# KiCad board Oblique Palette 0.3 PCB.kicad_pcb
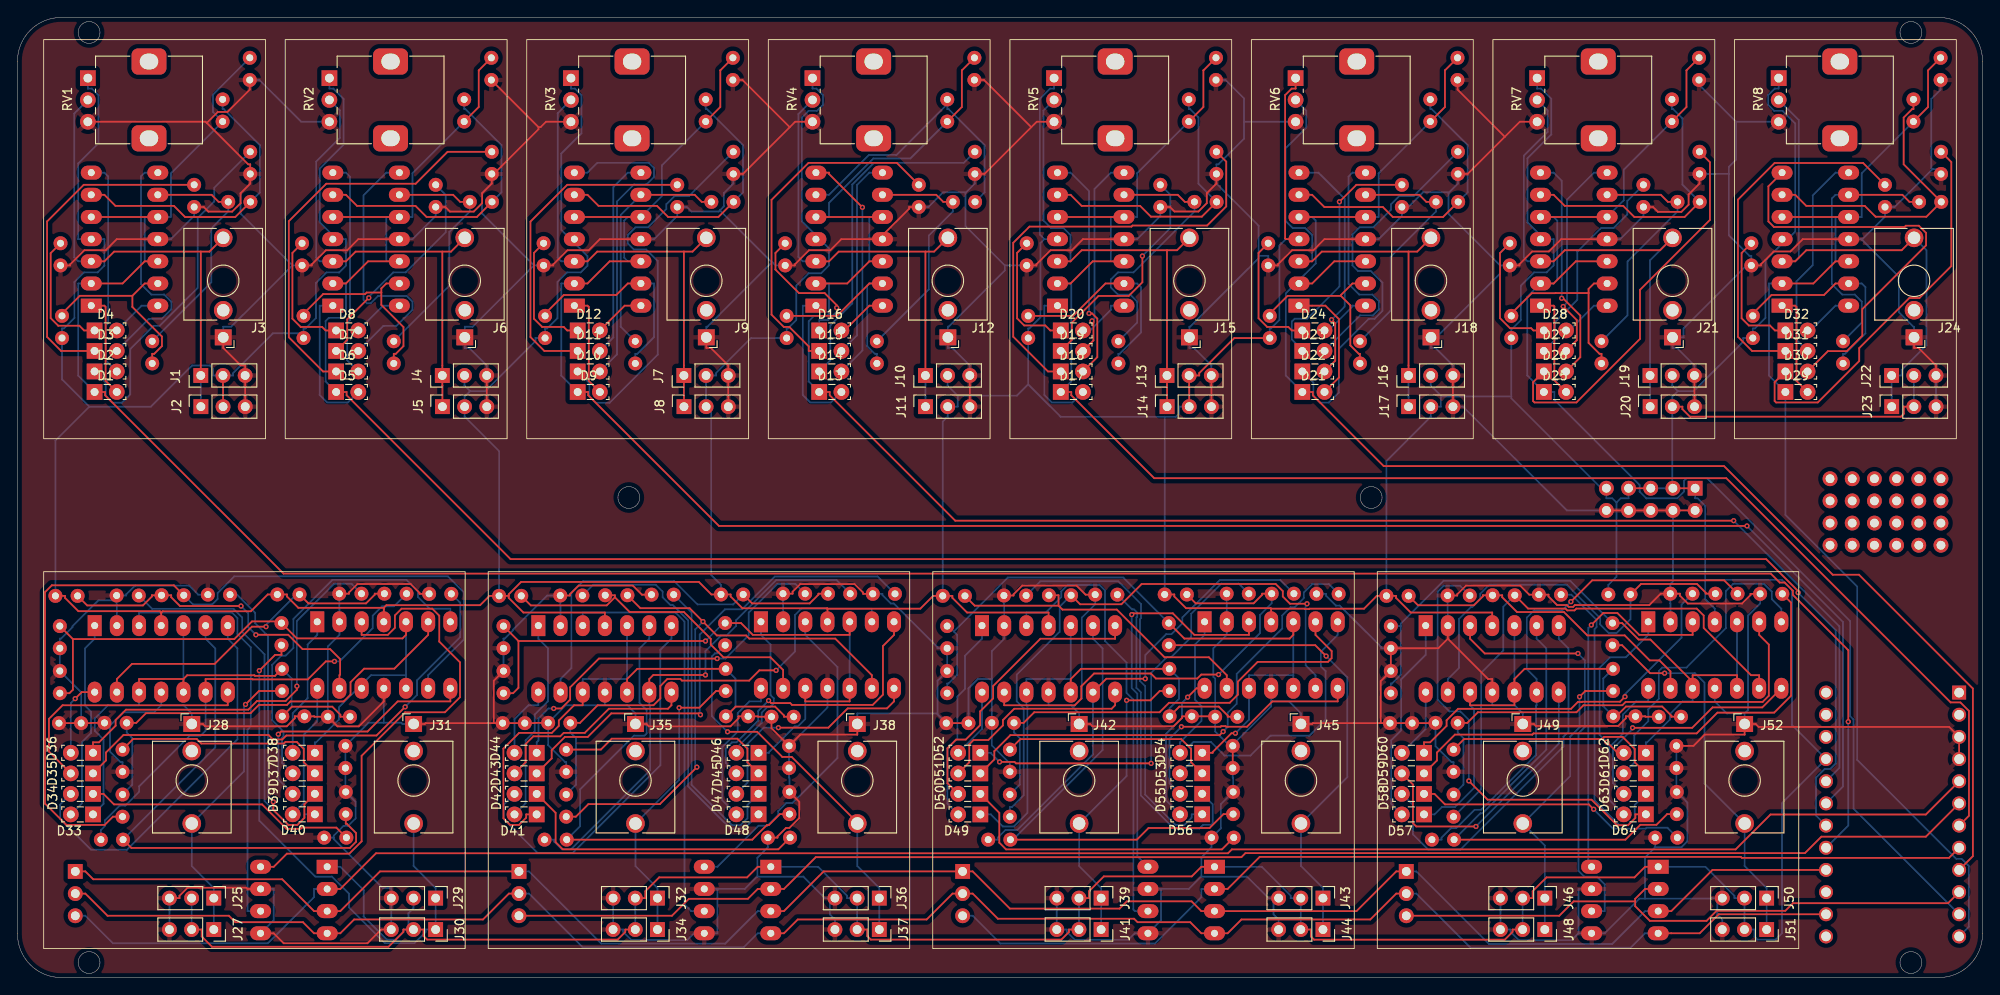
[diagram p0: board, top side]
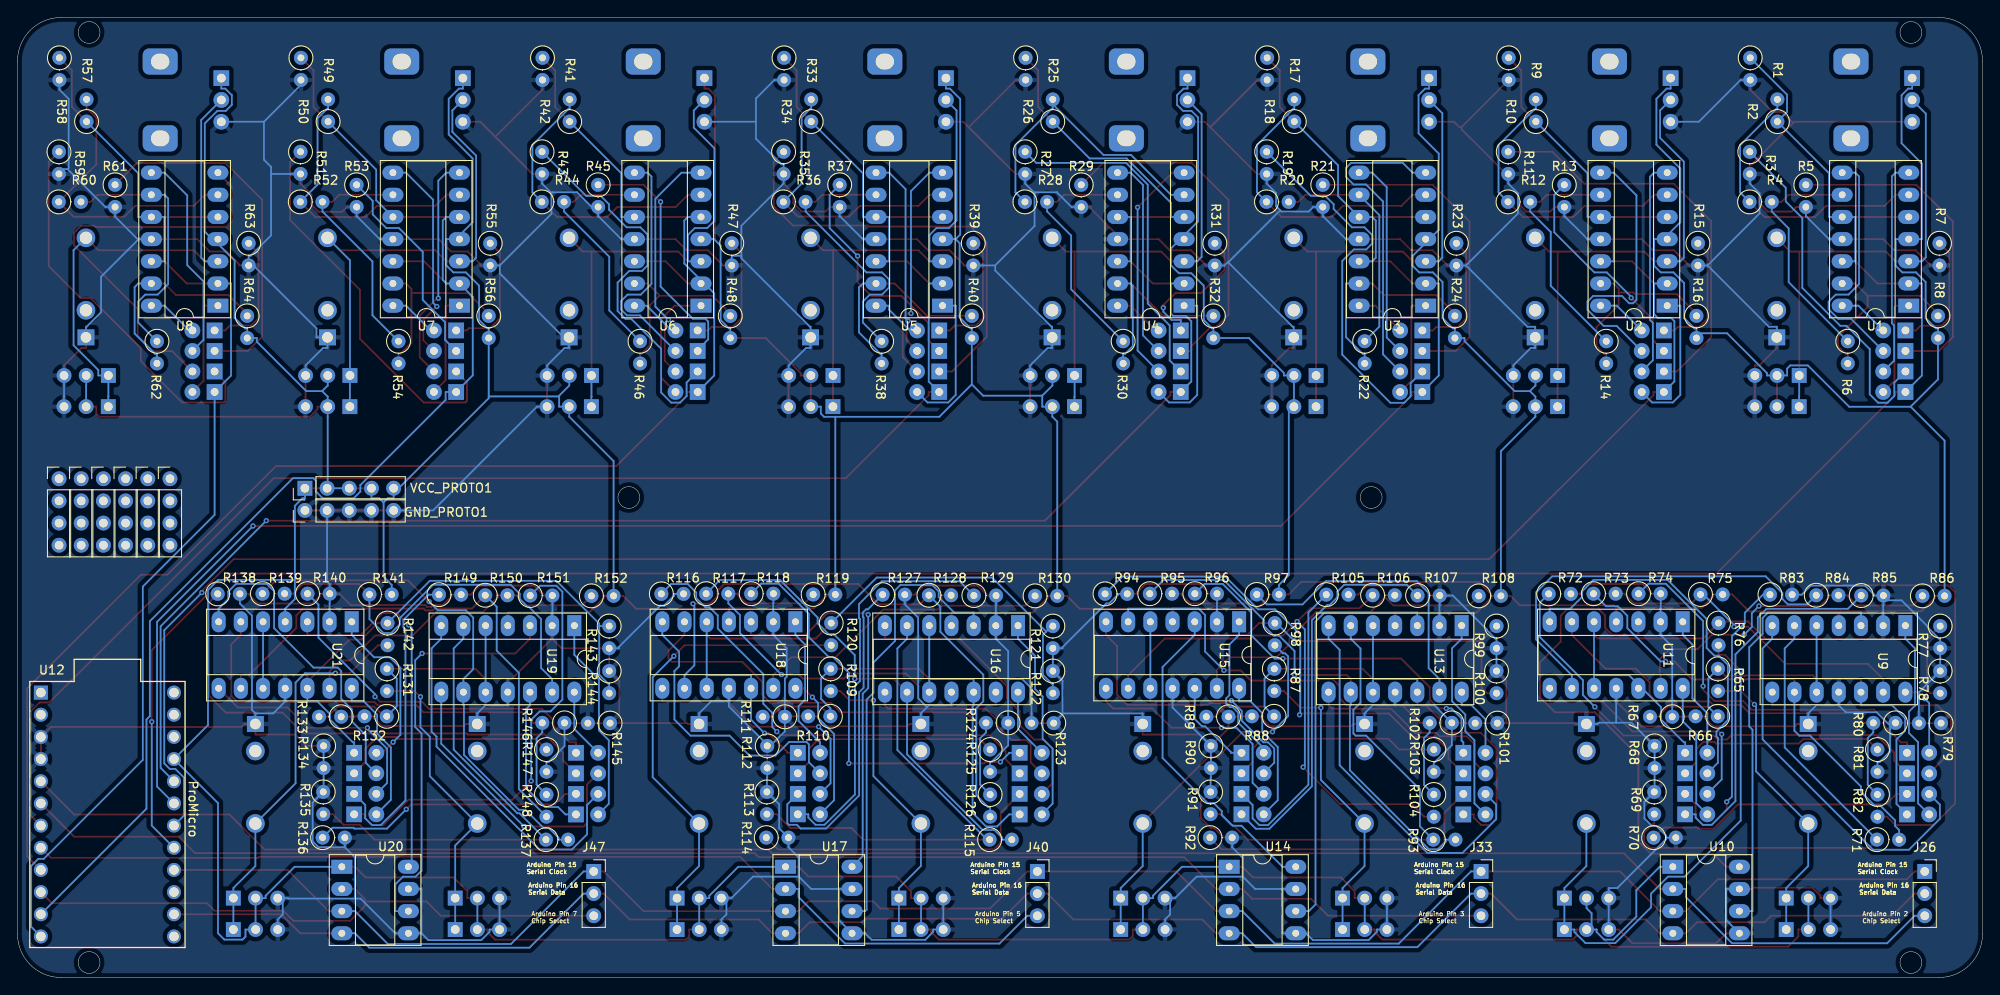
[diagram p1: board, bottom side, seen from below]

Outline 225 x 110 mm; copper layers: Top, Bottom. Coordinates in mm from the lower left corner of the outline.
Outline path: circle c8.2,108.28 r1.25 ; circle c8.2,1.72 r1.25 ; circle c70,55 r1.25 ; circle c155,55 r1.25 ; circle c216.8,108.28 r1.25 ; circle c216.8,1.72 r1.25 ; 0,105 arc(1.46,108.54) 5,110 220,110 arc(223.54,108.54) 225,105 225,5 arc(223.54,1.46) 220,0 5,0 arc(1.46,1.46) 0,5 0,105

## Placement (name value [footprint] x y rotation side)
D1  White  [LED_SideEmitter_Rectangular_W4.5mm_H1.6mm]  8.83 67.09 0 top
D2  Blue  [LED_SideEmitter_Rectangular_W4.5mm_H1.6mm]  8.83 69.44 0 top
D3  Yellow  [LED_SideEmitter_Rectangular_W4.5mm_H1.6mm]  8.83 71.79 0 top
D4  Red  [LED_SideEmitter_Rectangular_W4.5mm_H1.6mm]  8.83 74.14 0 top
D5  White  [LED_SideEmitter_Rectangular_W4.5mm_H1.6mm]  36.49 67.09 0 top
D6  Blue  [LED_SideEmitter_Rectangular_W4.5mm_H1.6mm]  36.49 69.44 0 top
D7  Yellow  [LED_SideEmitter_Rectangular_W4.5mm_H1.6mm]  36.49 71.79 0 top
D8  Red  [LED_SideEmitter_Rectangular_W4.5mm_H1.6mm]  36.49 74.14 0 top
D9  White  [LED_SideEmitter_Rectangular_W4.5mm_H1.6mm]  64.14 67.09 0 top
D10  Blue  [LED_SideEmitter_Rectangular_W4.5mm_H1.6mm]  64.14 69.44 0 top
D11  Yellow  [LED_SideEmitter_Rectangular_W4.5mm_H1.6mm]  64.14 71.79 0 top
D12  Red  [LED_SideEmitter_Rectangular_W4.5mm_H1.6mm]  64.14 74.14 0 top
D13  White  [LED_SideEmitter_Rectangular_W4.5mm_H1.6mm]  91.8 67.09 0 top
D14  Blue  [LED_SideEmitter_Rectangular_W4.5mm_H1.6mm]  91.8 69.44 0 top
D15  Yellow  [LED_SideEmitter_Rectangular_W4.5mm_H1.6mm]  91.8 71.79 0 top
D16  Red  [LED_SideEmitter_Rectangular_W4.5mm_H1.6mm]  91.8 74.14 0 top
D17  White  [LED_SideEmitter_Rectangular_W4.5mm_H1.6mm]  119.46 67.09 0 top
D18  Blue  [LED_SideEmitter_Rectangular_W4.5mm_H1.6mm]  119.46 69.44 0 top
D19  Yellow  [LED_SideEmitter_Rectangular_W4.5mm_H1.6mm]  119.46 71.79 0 top
D20  Red  [LED_SideEmitter_Rectangular_W4.5mm_H1.6mm]  119.46 74.14 0 top
D21  White  [LED_SideEmitter_Rectangular_W4.5mm_H1.6mm]  147.12 67.09 0 top
D22  Blue  [LED_SideEmitter_Rectangular_W4.5mm_H1.6mm]  147.12 69.44 0 top
D23  Yellow  [LED_SideEmitter_Rectangular_W4.5mm_H1.6mm]  147.12 71.79 0 top
D24  Red  [LED_SideEmitter_Rectangular_W4.5mm_H1.6mm]  147.12 74.14 0 top
D25  White  [LED_SideEmitter_Rectangular_W4.5mm_H1.6mm]  174.77 67.09 0 top
D26  Blue  [LED_SideEmitter_Rectangular_W4.5mm_H1.6mm]  174.77 69.44 0 top
D27  Yellow  [LED_SideEmitter_Rectangular_W4.5mm_H1.6mm]  174.77 71.79 0 top
D28  Red  [LED_SideEmitter_Rectangular_W4.5mm_H1.6mm]  174.77 74.14 0 top
D29  White  [LED_SideEmitter_Rectangular_W4.5mm_H1.6mm]  202.43 67.09 0 top
D30  Blue  [LED_SideEmitter_Rectangular_W4.5mm_H1.6mm]  202.43 69.44 0 top
D31  Yellow  [LED_SideEmitter_Rectangular_W4.5mm_H1.6mm]  202.43 71.79 0 top
D32  Red  [LED_SideEmitter_Rectangular_W4.5mm_H1.6mm]  202.43 74.14 0 top
D33  White  [LED_SideEmitter_Rectangular_W4.5mm_H1.6mm]  8.65 18.69 180 top
D34  Blue  [LED_SideEmitter_Rectangular_W4.5mm_H1.6mm]  8.65 21.04 180 top
D35  Yellow  [LED_SideEmitter_Rectangular_W4.5mm_H1.6mm]  8.65 23.39 180 top
D36  Red  [LED_SideEmitter_Rectangular_W4.5mm_H1.6mm]  8.65 25.75 180 top
D37  White  [LED_SideEmitter_Rectangular_W4.5mm_H1.6mm]  34.05 25.75 180 top
D38  Blue  [LED_SideEmitter_Rectangular_W4.5mm_H1.6mm]  34.05 23.4 180 top
D39  Yellow  [LED_SideEmitter_Rectangular_W4.5mm_H1.6mm]  34.05 21.05 180 top
D40  Red  [LED_SideEmitter_Rectangular_W4.5mm_H1.6mm]  34.05 18.7 180 top
D41  White  [LED_SideEmitter_Rectangular_W4.5mm_H1.6mm]  59.45 18.69 180 top
D42  Blue  [LED_SideEmitter_Rectangular_W4.5mm_H1.6mm]  59.45 21.04 180 top
D43  Yellow  [LED_SideEmitter_Rectangular_W4.5mm_H1.6mm]  59.45 23.39 180 top
D44  Red  [LED_SideEmitter_Rectangular_W4.5mm_H1.6mm]  59.45 25.75 180 top
D45  White  [LED_SideEmitter_Rectangular_W4.5mm_H1.6mm]  84.85 25.75 180 top
D46  Blue  [LED_SideEmitter_Rectangular_W4.5mm_H1.6mm]  84.85 23.4 180 top
D47  Yellow  [LED_SideEmitter_Rectangular_W4.5mm_H1.6mm]  84.85 21.05 180 top
D48  Red  [LED_SideEmitter_Rectangular_W4.5mm_H1.6mm]  84.85 18.7 180 top
D49  White  [LED_SideEmitter_Rectangular_W4.5mm_H1.6mm]  110.25 18.69 180 top
D50  Blue  [LED_SideEmitter_Rectangular_W4.5mm_H1.6mm]  110.25 21.04 180 top
D51  Yellow  [LED_SideEmitter_Rectangular_W4.5mm_H1.6mm]  110.25 23.39 180 top
D52  Red  [LED_SideEmitter_Rectangular_W4.5mm_H1.6mm]  110.25 25.75 180 top
D53  White  [LED_SideEmitter_Rectangular_W4.5mm_H1.6mm]  135.65 25.75 180 top
D54  Blue  [LED_SideEmitter_Rectangular_W4.5mm_H1.6mm]  135.65 23.4 180 top
D55  Yellow  [LED_SideEmitter_Rectangular_W4.5mm_H1.6mm]  135.65 21.05 180 top
D56  Red  [LED_SideEmitter_Rectangular_W4.5mm_H1.6mm]  135.65 18.7 180 top
D57  White  [LED_SideEmitter_Rectangular_W4.5mm_H1.6mm]  161.05 18.69 180 top
D58  Blue  [LED_SideEmitter_Rectangular_W4.5mm_H1.6mm]  161.05 21.04 180 top
D59  Yellow  [LED_SideEmitter_Rectangular_W4.5mm_H1.6mm]  161.05 23.39 180 top
D60  Red  [LED_SideEmitter_Rectangular_W4.5mm_H1.6mm]  161.05 25.75 180 top
D61  White  [LED_SideEmitter_Rectangular_W4.5mm_H1.6mm]  186.45 25.75 180 top
D62  Blue  [LED_SideEmitter_Rectangular_W4.5mm_H1.6mm]  186.45 23.4 180 top
D63  Yellow  [LED_SideEmitter_Rectangular_W4.5mm_H1.6mm]  186.45 21.05 180 top
D64  Red  [LED_SideEmitter_Rectangular_W4.5mm_H1.6mm]  186.45 18.7 180 top
GND_PROTO1  Conn_01x05_Pin  [PinHeader_1x05_P2.54mm_Vertical]  192.09 53.52 90 bottom
J1  Conn_01x03_Male_Pin  [PinHeader_1x03_P2.54mm_Vertical]  20.99 68.98 90 top
J2  Conn_01x03_Female_Pin  [PinSocket_1x03_P2.54mm_Vertical]  21 65.41 90 top
J3  AudioJack2_SwitchT  [Jack_3.5mm_QingPu_WQP-PJ398SM_Vertical_CircularHoles]  23.56 73.35 180 top
J4  Conn_01x03_Male_Pin  [PinHeader_1x03_P2.54mm_Vertical]  48.65 68.98 90 top
J5  Conn_01x03_Female_Pin  [PinSocket_1x03_P2.54mm_Vertical]  48.66 65.41 90 top
J6  AudioJack2_SwitchT  [Jack_3.5mm_QingPu_WQP-PJ398SM_Vertical_CircularHoles]  51.22 73.35 180 top
J7  Conn_01x03_Male_Pin  [PinHeader_1x03_P2.54mm_Vertical]  76.3 68.98 90 top
J8  Conn_01x03_Female_Pin  [PinSocket_1x03_P2.54mm_Vertical]  76.31 65.41 90 top
J9  AudioJack2_SwitchT  [Jack_3.5mm_QingPu_WQP-PJ398SM_Vertical_CircularHoles]  78.87 73.35 180 top
J10  Conn_01x03_Male_Pin  [PinHeader_1x03_P2.54mm_Vertical]  103.96 68.98 90 top
J11  Conn_01x03_Female_Pin  [PinSocket_1x03_P2.54mm_Vertical]  103.97 65.41 90 top
J12  AudioJack2_SwitchT  [Jack_3.5mm_QingPu_WQP-PJ398SM_Vertical_CircularHoles]  106.53 73.35 180 top
J13  Conn_01x03_Male_Pin  [PinHeader_1x03_P2.54mm_Vertical]  131.62 68.98 90 top
J14  Conn_01x03_Female_Pin  [PinSocket_1x03_P2.54mm_Vertical]  131.63 65.41 90 top
J15  AudioJack2_SwitchT  [Jack_3.5mm_QingPu_WQP-PJ398SM_Vertical_CircularHoles]  134.19 73.35 180 top
J16  Conn_01x03_Male_Pin  [PinHeader_1x03_P2.54mm_Vertical]  159.28 68.98 90 top
J17  Conn_01x03_Female_Pin  [PinSocket_1x03_P2.54mm_Vertical]  159.28 65.41 90 top
J18  AudioJack2_SwitchT  [Jack_3.5mm_QingPu_WQP-PJ398SM_Vertical_CircularHoles]  161.84 73.35 180 top
J19  Conn_01x03_Male_Pin  [PinHeader_1x03_P2.54mm_Vertical]  186.93 68.98 90 top
J20  Conn_01x03_Female_Pin  [PinSocket_1x03_P2.54mm_Vertical]  186.94 65.41 90 top
J21  AudioJack2_SwitchT  [Jack_3.5mm_QingPu_WQP-PJ398SM_Vertical_CircularHoles]  189.5 73.35 180 top
J22  Conn_01x03_Male_Pin  [PinHeader_1x03_P2.54mm_Vertical]  214.59 68.98 90 top
J23  Conn_01x03_Female_Pin  [PinSocket_1x03_P2.54mm_Vertical]  214.6 65.41 90 top
J24  AudioJack2_SwitchT  [Jack_3.5mm_QingPu_WQP-PJ398SM_Vertical_CircularHoles]  217.16 73.35 180 top
J25  Conn_01x03_Male_Pin  [PinHeader_1x03_P2.54mm_Vertical]  22.48 9.1 270 top
J26  Conn_01x03_Female_Pin  [PinSocket_1x03_P2.54mm_Vertical]  6.62 12.16 180 bottom
J27  Conn_01x03_Female_Pin  [PinSocket_1x03_P2.54mm_Vertical]  22.48 5.5 270 top
J28  AudioJack2_SwitchT  [Jack_3.5mm_QingPu_WQP-PJ398SM_Vertical_CircularHoles]  19.96 29.05 0 top
J29  Conn_01x03_Male_Pin  [PinHeader_1x03_P2.54mm_Vertical]  47.88 9.1 270 top
J30  Conn_01x03_Female_Pin  [PinSocket_1x03_P2.54mm_Vertical]  47.88 5.5 270 top
J31  AudioJack2_SwitchT  [Jack_3.5mm_QingPu_WQP-PJ398SM_Vertical_CircularHoles]  45.36 29.05 0 top
J32  Conn_01x03_Male_Pin  [PinHeader_1x03_P2.54mm_Vertical]  73.28 9.1 270 top
J33  Conn_01x03_Female_Pin  [PinSocket_1x03_P2.54mm_Vertical]  57.42 12.16 180 bottom
J34  Conn_01x03_Female_Pin  [PinSocket_1x03_P2.54mm_Vertical]  73.28 5.5 270 top
J35  AudioJack2_SwitchT  [Jack_3.5mm_QingPu_WQP-PJ398SM_Vertical_CircularHoles]  70.76 29.05 0 top
J36  Conn_01x03_Male_Pin  [PinHeader_1x03_P2.54mm_Vertical]  98.68 9.1 270 top
J37  Conn_01x03_Female_Pin  [PinSocket_1x03_P2.54mm_Vertical]  98.68 5.5 270 top
J38  AudioJack2_SwitchT  [Jack_3.5mm_QingPu_WQP-PJ398SM_Vertical_CircularHoles]  96.16 29.05 0 top
J39  Conn_01x03_Male_Pin  [PinHeader_1x03_P2.54mm_Vertical]  124.08 9.1 270 top
J40  Conn_01x03_Female_Pin  [PinSocket_1x03_P2.54mm_Vertical]  108.22 12.16 180 bottom
J41  Conn_01x03_Female_Pin  [PinSocket_1x03_P2.54mm_Vertical]  124.08 5.5 270 top
J42  AudioJack2_SwitchT  [Jack_3.5mm_QingPu_WQP-PJ398SM_Vertical_CircularHoles]  121.56 29.05 0 top
J43  Conn_01x03_Male_Pin  [PinHeader_1x03_P2.54mm_Vertical]  149.48 9.1 270 top
J44  Conn_01x03_Female_Pin  [PinSocket_1x03_P2.54mm_Vertical]  149.48 5.5 270 top
J45  AudioJack2_SwitchT  [Jack_3.5mm_QingPu_WQP-PJ398SM_Vertical_CircularHoles]  146.96 29.05 0 top
J46  Conn_01x03_Male_Pin  [PinHeader_1x03_P2.54mm_Vertical]  174.88 9.1 270 top
J47  Conn_01x03_Female_Pin  [PinSocket_1x03_P2.54mm_Vertical]  159.02 12.16 180 bottom
J48  Conn_01x03_Female_Pin  [PinSocket_1x03_P2.54mm_Vertical]  174.88 5.5 270 top
J49  AudioJack2_SwitchT  [Jack_3.5mm_QingPu_WQP-PJ398SM_Vertical_CircularHoles]  172.36 29.05 0 top
J50  Conn_01x03_Male_Pin  [PinHeader_1x03_P2.54mm_Vertical]  200.28 9.1 270 top
J51  Conn_01x03_Female_Pin  [PinSocket_1x03_P2.54mm_Vertical]  200.28 5.5 270 top
J52  AudioJack2_SwitchT  [Jack_3.5mm_QingPu_WQP-PJ398SM_Vertical_CircularHoles]  197.76 29.05 0 top
Proto1  Conn_01x04_Pin  [PinHeader_1x04_P2.54mm_Vertical]  207.54 57.15 180 bottom
Proto2  Conn_01x04_Pin  [PinHeader_1x04_P2.54mm_Vertical]  210.08 57.15 180 bottom
Proto3  Conn_01x04_Pin  [PinHeader_1x04_P2.54mm_Vertical]  212.62 57.15 180 bottom
Proto4  Conn_01x04_Pin  [PinHeader_1x04_P2.54mm_Vertical]  215.16 57.15 180 bottom
Proto5  Conn_01x04_Pin  [PinHeader_1x04_P2.54mm_Vertical]  217.7 57.15 180 bottom
Proto6  Conn_01x04_Pin  [PinHeader_1x04_P2.54mm_Vertical]  220.24 57.15 180 bottom
R1  1k  [R_Axial_DIN0207_L6.3mm_D2.5mm_P2.54mm_Vertical]  26.6 105.38 270 bottom
R2  5k  [R_Axial_DIN0207_L6.3mm_D2.5mm_P2.54mm_Vertical]  23.49 98.07 90 bottom
R3  1k  [R_Axial_DIN0207_L6.3mm_D2.5mm_P2.54mm_Vertical]  26.65 94.61 270 bottom
R4  2k  [R_Axial_DIN0207_L6.3mm_D2.5mm_P2.54mm_Vertical]  26.67 88.87 180 bottom
R5  1k  [R_Axial_DIN0207_L6.3mm_D2.5mm_P2.54mm_Vertical]  20.23 90.83 270 bottom
R6  2.5k  [R_Axial_DIN0207_L6.3mm_D2.5mm_P2.54mm_Vertical]  15.43 72.9 270 bottom
R7  1k  [R_Axial_DIN0207_L6.3mm_D2.5mm_P2.54mm_Vertical]  4.93 84.13 270 bottom
R8  500R  [R_Axial_DIN0207_L6.3mm_D2.5mm_P2.54mm_Vertical]  5.1 75.81 270 bottom
R9  1k  [R_Axial_DIN0207_L6.3mm_D2.5mm_P2.54mm_Vertical]  54.26 105.38 270 bottom
R10  5k  [R_Axial_DIN0207_L6.3mm_D2.5mm_P2.54mm_Vertical]  51.15 98.07 90 bottom
R11  1k  [R_Axial_DIN0207_L6.3mm_D2.5mm_P2.54mm_Vertical]  54.31 94.61 270 bottom
R12  2k  [R_Axial_DIN0207_L6.3mm_D2.5mm_P2.54mm_Vertical]  54.33 88.87 180 bottom
R13  1k  [R_Axial_DIN0207_L6.3mm_D2.5mm_P2.54mm_Vertical]  47.89 90.83 270 bottom
R14  2.5k  [R_Axial_DIN0207_L6.3mm_D2.5mm_P2.54mm_Vertical]  43.09 72.9 270 bottom
R15  1k  [R_Axial_DIN0207_L6.3mm_D2.5mm_P2.54mm_Vertical]  32.59 84.13 270 bottom
R16  500R  [R_Axial_DIN0207_L6.3mm_D2.5mm_P2.54mm_Vertical]  32.76 75.81 270 bottom
R17  1k  [R_Axial_DIN0207_L6.3mm_D2.5mm_P2.54mm_Vertical]  81.91 105.38 270 bottom
R18  5k  [R_Axial_DIN0207_L6.3mm_D2.5mm_P2.54mm_Vertical]  78.8 98.07 90 bottom
R19  1k  [R_Axial_DIN0207_L6.3mm_D2.5mm_P2.54mm_Vertical]  81.96 94.61 270 bottom
R20  2k  [R_Axial_DIN0207_L6.3mm_D2.5mm_P2.54mm_Vertical]  81.99 88.87 180 bottom
R21  1k  [R_Axial_DIN0207_L6.3mm_D2.5mm_P2.54mm_Vertical]  75.54 90.83 270 bottom
R22  2.5k  [R_Axial_DIN0207_L6.3mm_D2.5mm_P2.54mm_Vertical]  70.74 72.9 270 bottom
R23  1k  [R_Axial_DIN0207_L6.3mm_D2.5mm_P2.54mm_Vertical]  60.24 84.13 270 bottom
R24  500R  [R_Axial_DIN0207_L6.3mm_D2.5mm_P2.54mm_Vertical]  60.41 75.81 270 bottom
R25  1k  [R_Axial_DIN0207_L6.3mm_D2.5mm_P2.54mm_Vertical]  109.57 105.38 270 bottom
R26  5k  [R_Axial_DIN0207_L6.3mm_D2.5mm_P2.54mm_Vertical]  106.46 98.07 90 bottom
R27  1k  [R_Axial_DIN0207_L6.3mm_D2.5mm_P2.54mm_Vertical]  109.62 94.61 270 bottom
R28  2k  [R_Axial_DIN0207_L6.3mm_D2.5mm_P2.54mm_Vertical]  109.65 88.87 180 bottom
R29  1k  [R_Axial_DIN0207_L6.3mm_D2.5mm_P2.54mm_Vertical]  103.2 90.83 270 bottom
R30  2.5k  [R_Axial_DIN0207_L6.3mm_D2.5mm_P2.54mm_Vertical]  98.4 72.9 270 bottom
R31  1k  [R_Axial_DIN0207_L6.3mm_D2.5mm_P2.54mm_Vertical]  87.9 84.13 270 bottom
R32  500R  [R_Axial_DIN0207_L6.3mm_D2.5mm_P2.54mm_Vertical]  88.07 75.81 270 bottom
R33  1k  [R_Axial_DIN0207_L6.3mm_D2.5mm_P2.54mm_Vertical]  137.23 105.38 270 bottom
R34  5k  [R_Axial_DIN0207_L6.3mm_D2.5mm_P2.54mm_Vertical]  134.12 98.07 90 bottom
R35  1k  [R_Axial_DIN0207_L6.3mm_D2.5mm_P2.54mm_Vertical]  137.28 94.61 270 bottom
R36  2k  [R_Axial_DIN0207_L6.3mm_D2.5mm_P2.54mm_Vertical]  137.3 88.87 180 bottom
R37  1k  [R_Axial_DIN0207_L6.3mm_D2.5mm_P2.54mm_Vertical]  130.86 90.83 270 bottom
R38  2.5k  [R_Axial_DIN0207_L6.3mm_D2.5mm_P2.54mm_Vertical]  126.06 72.9 270 bottom
R39  1k  [R_Axial_DIN0207_L6.3mm_D2.5mm_P2.54mm_Vertical]  115.56 84.13 270 bottom
R40  500R  [R_Axial_DIN0207_L6.3mm_D2.5mm_P2.54mm_Vertical]  115.73 75.81 270 bottom
R41  1k  [R_Axial_DIN0207_L6.3mm_D2.5mm_P2.54mm_Vertical]  164.88 105.38 270 bottom
R42  5k  [R_Axial_DIN0207_L6.3mm_D2.5mm_P2.54mm_Vertical]  161.78 98.07 90 bottom
R43  1k  [R_Axial_DIN0207_L6.3mm_D2.5mm_P2.54mm_Vertical]  164.94 94.61 270 bottom
R44  2k  [R_Axial_DIN0207_L6.3mm_D2.5mm_P2.54mm_Vertical]  164.96 88.87 180 bottom
R45  1k  [R_Axial_DIN0207_L6.3mm_D2.5mm_P2.54mm_Vertical]  158.51 90.83 270 bottom
R46  2.5k  [R_Axial_DIN0207_L6.3mm_D2.5mm_P2.54mm_Vertical]  153.72 72.9 270 bottom
R47  1k  [R_Axial_DIN0207_L6.3mm_D2.5mm_P2.54mm_Vertical]  143.22 84.13 270 bottom
R48  500R  [R_Axial_DIN0207_L6.3mm_D2.5mm_P2.54mm_Vertical]  143.38 75.81 270 bottom
R49  1k  [R_Axial_DIN0207_L6.3mm_D2.5mm_P2.54mm_Vertical]  192.54 105.38 270 bottom
R50  5k  [R_Axial_DIN0207_L6.3mm_D2.5mm_P2.54mm_Vertical]  189.43 98.07 90 bottom
R51  1k  [R_Axial_DIN0207_L6.3mm_D2.5mm_P2.54mm_Vertical]  192.59 94.61 270 bottom
R52  2k  [R_Axial_DIN0207_L6.3mm_D2.5mm_P2.54mm_Vertical]  192.62 88.87 180 bottom
R53  1k  [R_Axial_DIN0207_L6.3mm_D2.5mm_P2.54mm_Vertical]  186.17 90.83 270 bottom
R54  2.5k  [R_Axial_DIN0207_L6.3mm_D2.5mm_P2.54mm_Vertical]  181.37 72.9 270 bottom
R55  1k  [R_Axial_DIN0207_L6.3mm_D2.5mm_P2.54mm_Vertical]  170.87 84.13 270 bottom
R56  500R  [R_Axial_DIN0207_L6.3mm_D2.5mm_P2.54mm_Vertical]  171.04 75.81 270 bottom
R57  1k  [R_Axial_DIN0207_L6.3mm_D2.5mm_P2.54mm_Vertical]  220.2 105.38 270 bottom
R58  5k  [R_Axial_DIN0207_L6.3mm_D2.5mm_P2.54mm_Vertical]  217.09 98.07 90 bottom
R59  1k  [R_Axial_DIN0207_L6.3mm_D2.5mm_P2.54mm_Vertical]  220.25 94.61 270 bottom
R60  2k  [R_Axial_DIN0207_L6.3mm_D2.5mm_P2.54mm_Vertical]  220.27 88.87 180 bottom
R61  1k  [R_Axial_DIN0207_L6.3mm_D2.5mm_P2.54mm_Vertical]  213.83 90.83 270 bottom
R62  2.5k  [R_Axial_DIN0207_L6.3mm_D2.5mm_P2.54mm_Vertical]  209.03 72.9 270 bottom
R63  1k  [R_Axial_DIN0207_L6.3mm_D2.5mm_P2.54mm_Vertical]  198.53 84.13 270 bottom
R64  500R  [R_Axial_DIN0207_L6.3mm_D2.5mm_P2.54mm_Vertical]  198.7 75.81 270 bottom
R65  10k  [R_Axial_DIN0207_L6.3mm_D2.5mm_P2.54mm_Vertical]  30.29 35.37 270 bottom
R66  1k  [R_Axial_DIN0207_L6.3mm_D2.5mm_P2.54mm_Vertical]  30.32 29.93 0 bottom
R67  470R  [R_Axial_DIN0207_L6.3mm_D2.5mm_P2.54mm_Vertical]  35.53 29.88 0 bottom
R68  2k  [R_Axial_DIN0207_L6.3mm_D2.5mm_P2.54mm_Vertical]  37.55 26.55 270 bottom
R69  5k  [R_Axial_DIN0207_L6.3mm_D2.5mm_P2.54mm_Vertical]  37.59 21.27 270 bottom
R70  1k  [R_Axial_DIN0207_L6.3mm_D2.5mm_P2.54mm_Vertical]  37.66 16.03 180 bottom
R71  2k  [R_Axial_DIN0207_L6.3mm_D2.5mm_P2.54mm_Vertical]  12.09 15.8 180 bottom
R72  1k  [R_Axial_DIN0207_L6.3mm_D2.5mm_P2.54mm_Vertical]  49.67 43.96 180 bottom
R73  2.5k  [R_Axial_DIN0207_L6.3mm_D2.5mm_P2.54mm_Vertical]  44.55 43.98 180 bottom
R74  1k  [R_Axial_DIN0207_L6.3mm_D2.5mm_P2.54mm_Vertical]  39.39 43.98 180 bottom
R75  500  [R_Axial_DIN0207_L6.3mm_D2.5mm_P2.54mm_Vertical]  32.3 43.89 180 bottom
R76  10k  [R_Axial_DIN0207_L6.3mm_D2.5mm_P2.54mm_Vertical]  30.23 40.61 270 bottom
R77  1k  [R_Axial_DIN0207_L6.3mm_D2.5mm_P2.54mm_Vertical]  4.85 40.27 270 bottom
R78  470R  [R_Axial_DIN0207_L6.3mm_D2.5mm_P2.54mm_Vertical]  4.85 35.12 270 bottom
R79  2k  [R_Axial_DIN0207_L6.3mm_D2.5mm_P2.54mm_Vertical]  4.75 29.15 0 bottom
R80  5k  [R_Axial_DIN0207_L6.3mm_D2.5mm_P2.54mm_Vertical]  9.96 29.18 0 bottom
R81  1k  [R_Axial_DIN0207_L6.3mm_D2.5mm_P2.54mm_Vertical]  12.03 26.12 270 bottom
R82  2k  [R_Axial_DIN0207_L6.3mm_D2.5mm_P2.54mm_Vertical]  12.03 20.97 270 bottom
R83  1k  [R_Axial_DIN0207_L6.3mm_D2.5mm_P2.54mm_Vertical]  24.34 43.87 180 bottom
R84  2.5k  [R_Axial_DIN0207_L6.3mm_D2.5mm_P2.54mm_Vertical]  19.04 43.8 180 bottom
R85  1k  [R_Axial_DIN0207_L6.3mm_D2.5mm_P2.54mm_Vertical]  13.89 43.77 180 bottom
R86  500  [R_Axial_DIN0207_L6.3mm_D2.5mm_P2.54mm_Vertical]  6.89 43.73 180 bottom
R87  10k  [R_Axial_DIN0207_L6.3mm_D2.5mm_P2.54mm_Vertical]  81.09 35.37 270 bottom
R88  1k  [R_Axial_DIN0207_L6.3mm_D2.5mm_P2.54mm_Vertical]  81.12 29.93 0 bottom
R89  470R  [R_Axial_DIN0207_L6.3mm_D2.5mm_P2.54mm_Vertical]  86.33 29.88 0 bottom
R90  2k  [R_Axial_DIN0207_L6.3mm_D2.5mm_P2.54mm_Vertical]  88.35 26.55 270 bottom
R91  5k  [R_Axial_DIN0207_L6.3mm_D2.5mm_P2.54mm_Vertical]  88.39 21.27 270 bottom
R92  1k  [R_Axial_DIN0207_L6.3mm_D2.5mm_P2.54mm_Vertical]  88.46 16.03 180 bottom
R93  2k  [R_Axial_DIN0207_L6.3mm_D2.5mm_P2.54mm_Vertical]  62.89 15.8 180 bottom
R94  1k  [R_Axial_DIN0207_L6.3mm_D2.5mm_P2.54mm_Vertical]  100.47 43.96 180 bottom
R95  2.5k  [R_Axial_DIN0207_L6.3mm_D2.5mm_P2.54mm_Vertical]  95.35 43.98 180 bottom
R96  1k  [R_Axial_DIN0207_L6.3mm_D2.5mm_P2.54mm_Vertical]  90.19 43.98 180 bottom
R97  500  [R_Axial_DIN0207_L6.3mm_D2.5mm_P2.54mm_Vertical]  83.09 43.89 180 bottom
R98  10k  [R_Axial_DIN0207_L6.3mm_D2.5mm_P2.54mm_Vertical]  81.03 40.61 270 bottom
R99  1k  [R_Axial_DIN0207_L6.3mm_D2.5mm_P2.54mm_Vertical]  55.65 40.27 270 bottom
R100  470R  [R_Axial_DIN0207_L6.3mm_D2.5mm_P2.54mm_Vertical]  55.65 35.12 270 bottom
R101  2k  [R_Axial_DIN0207_L6.3mm_D2.5mm_P2.54mm_Vertical]  55.55 29.15 0 bottom
R102  5k  [R_Axial_DIN0207_L6.3mm_D2.5mm_P2.54mm_Vertical]  60.77 29.18 0 bottom
R103  1k  [R_Axial_DIN0207_L6.3mm_D2.5mm_P2.54mm_Vertical]  62.83 26.12 270 bottom
R104  2k  [R_Axial_DIN0207_L6.3mm_D2.5mm_P2.54mm_Vertical]  62.83 20.97 270 bottom
R105  1k  [R_Axial_DIN0207_L6.3mm_D2.5mm_P2.54mm_Vertical]  75.14 43.87 180 bottom
R106  2.5k  [R_Axial_DIN0207_L6.3mm_D2.5mm_P2.54mm_Vertical]  69.84 43.8 180 bottom
R107  1k  [R_Axial_DIN0207_L6.3mm_D2.5mm_P2.54mm_Vertical]  64.69 43.77 180 bottom
R108  500  [R_Axial_DIN0207_L6.3mm_D2.5mm_P2.54mm_Vertical]  57.69 43.73 180 bottom
R109  10k  [R_Axial_DIN0207_L6.3mm_D2.5mm_P2.54mm_Vertical]  131.89 35.37 270 bottom
R110  1k  [R_Axial_DIN0207_L6.3mm_D2.5mm_P2.54mm_Vertical]  131.92 29.93 0 bottom
R111  470R  [R_Axial_DIN0207_L6.3mm_D2.5mm_P2.54mm_Vertical]  137.13 29.88 0 bottom
R112  2k  [R_Axial_DIN0207_L6.3mm_D2.5mm_P2.54mm_Vertical]  139.15 26.55 270 bottom
R113  5k  [R_Axial_DIN0207_L6.3mm_D2.5mm_P2.54mm_Vertical]  139.19 21.27 270 bottom
R114  1k  [R_Axial_DIN0207_L6.3mm_D2.5mm_P2.54mm_Vertical]  139.26 16.03 180 bottom
R115  2k  [R_Axial_DIN0207_L6.3mm_D2.5mm_P2.54mm_Vertical]  113.69 15.8 180 bottom
R116  1k  [R_Axial_DIN0207_L6.3mm_D2.5mm_P2.54mm_Vertical]  151.28 43.96 180 bottom
R117  2.5k  [R_Axial_DIN0207_L6.3mm_D2.5mm_P2.54mm_Vertical]  146.15 43.98 180 bottom
R118  1k  [R_Axial_DIN0207_L6.3mm_D2.5mm_P2.54mm_Vertical]  140.99 43.98 180 bottom
R119  500  [R_Axial_DIN0207_L6.3mm_D2.5mm_P2.54mm_Vertical]  133.9 43.89 180 bottom
R120  10k  [R_Axial_DIN0207_L6.3mm_D2.5mm_P2.54mm_Vertical]  131.83 40.61 270 bottom
R121  1k  [R_Axial_DIN0207_L6.3mm_D2.5mm_P2.54mm_Vertical]  106.45 40.27 270 bottom
R122  470R  [R_Axial_DIN0207_L6.3mm_D2.5mm_P2.54mm_Vertical]  106.45 35.12 270 bottom
R123  2k  [R_Axial_DIN0207_L6.3mm_D2.5mm_P2.54mm_Vertical]  106.35 29.15 0 bottom
R124  5k  [R_Axial_DIN0207_L6.3mm_D2.5mm_P2.54mm_Vertical]  111.56 29.18 0 bottom
R125  1k  [R_Axial_DIN0207_L6.3mm_D2.5mm_P2.54mm_Vertical]  113.63 26.12 270 bottom
R126  2k  [R_Axial_DIN0207_L6.3mm_D2.5mm_P2.54mm_Vertical]  113.63 20.97 270 bottom
R127  1k  [R_Axial_DIN0207_L6.3mm_D2.5mm_P2.54mm_Vertical]  125.94 43.87 180 bottom
R128  2.5k  [R_Axial_DIN0207_L6.3mm_D2.5mm_P2.54mm_Vertical]  120.64 43.8 180 bottom
R129  1k  [R_Axial_DIN0207_L6.3mm_D2.5mm_P2.54mm_Vertical]  115.49 43.77 180 bottom
R130  500  [R_Axial_DIN0207_L6.3mm_D2.5mm_P2.54mm_Vertical]  108.48 43.73 180 bottom
R131  10k  [R_Axial_DIN0207_L6.3mm_D2.5mm_P2.54mm_Vertical]  182.69 35.37 270 bottom
R132  1k  [R_Axial_DIN0207_L6.3mm_D2.5mm_P2.54mm_Vertical]  182.72 29.93 0 bottom
R133  470R  [R_Axial_DIN0207_L6.3mm_D2.5mm_P2.54mm_Vertical]  187.94 29.88 0 bottom
R134  2k  [R_Axial_DIN0207_L6.3mm_D2.5mm_P2.54mm_Vertical]  189.95 26.55 270 bottom
R135  5k  [R_Axial_DIN0207_L6.3mm_D2.5mm_P2.54mm_Vertical]  189.99 21.27 270 bottom
R136  1k  [R_Axial_DIN0207_L6.3mm_D2.5mm_P2.54mm_Vertical]  190.06 16.03 180 bottom
R137  2k  [R_Axial_DIN0207_L6.3mm_D2.5mm_P2.54mm_Vertical]  164.49 15.8 180 bottom
R138  1k  [R_Axial_DIN0207_L6.3mm_D2.5mm_P2.54mm_Vertical]  202.07 43.96 180 bottom
R139  2.5k  [R_Axial_DIN0207_L6.3mm_D2.5mm_P2.54mm_Vertical]  196.95 43.98 180 bottom
R140  1k  [R_Axial_DIN0207_L6.3mm_D2.5mm_P2.54mm_Vertical]  191.79 43.98 180 bottom
R141  500  [R_Axial_DIN0207_L6.3mm_D2.5mm_P2.54mm_Vertical]  184.69 43.89 180 bottom
R142  10k  [R_Axial_DIN0207_L6.3mm_D2.5mm_P2.54mm_Vertical]  182.63 40.61 270 bottom
R143  1k  [R_Axial_DIN0207_L6.3mm_D2.5mm_P2.54mm_Vertical]  157.25 40.27 270 bottom
R144  470R  [R_Axial_DIN0207_L6.3mm_D2.5mm_P2.54mm_Vertical]  157.25 35.12 270 bottom
R145  2k  [R_Axial_DIN0207_L6.3mm_D2.5mm_P2.54mm_Vertical]  157.15 29.15 0 bottom
R146  5k  [R_Axial_DIN0207_L6.3mm_D2.5mm_P2.54mm_Vertical]  162.37 29.18 0 bottom
R147  1k  [R_Axial_DIN0207_L6.3mm_D2.5mm_P2.54mm_Vertical]  164.43 26.12 270 bottom
R148  2k  [R_Axial_DIN0207_L6.3mm_D2.5mm_P2.54mm_Vertical]  164.43 20.97 270 bottom
R149  1k  [R_Axial_DIN0207_L6.3mm_D2.5mm_P2.54mm_Vertical]  176.74 43.87 180 bottom
R150  2.5k  [R_Axial_DIN0207_L6.3mm_D2.5mm_P2.54mm_Vertical]  171.44 43.8 180 bottom